# KiCad board nvme Carrier for LattePanda Mu.kicad_pcb (continued)
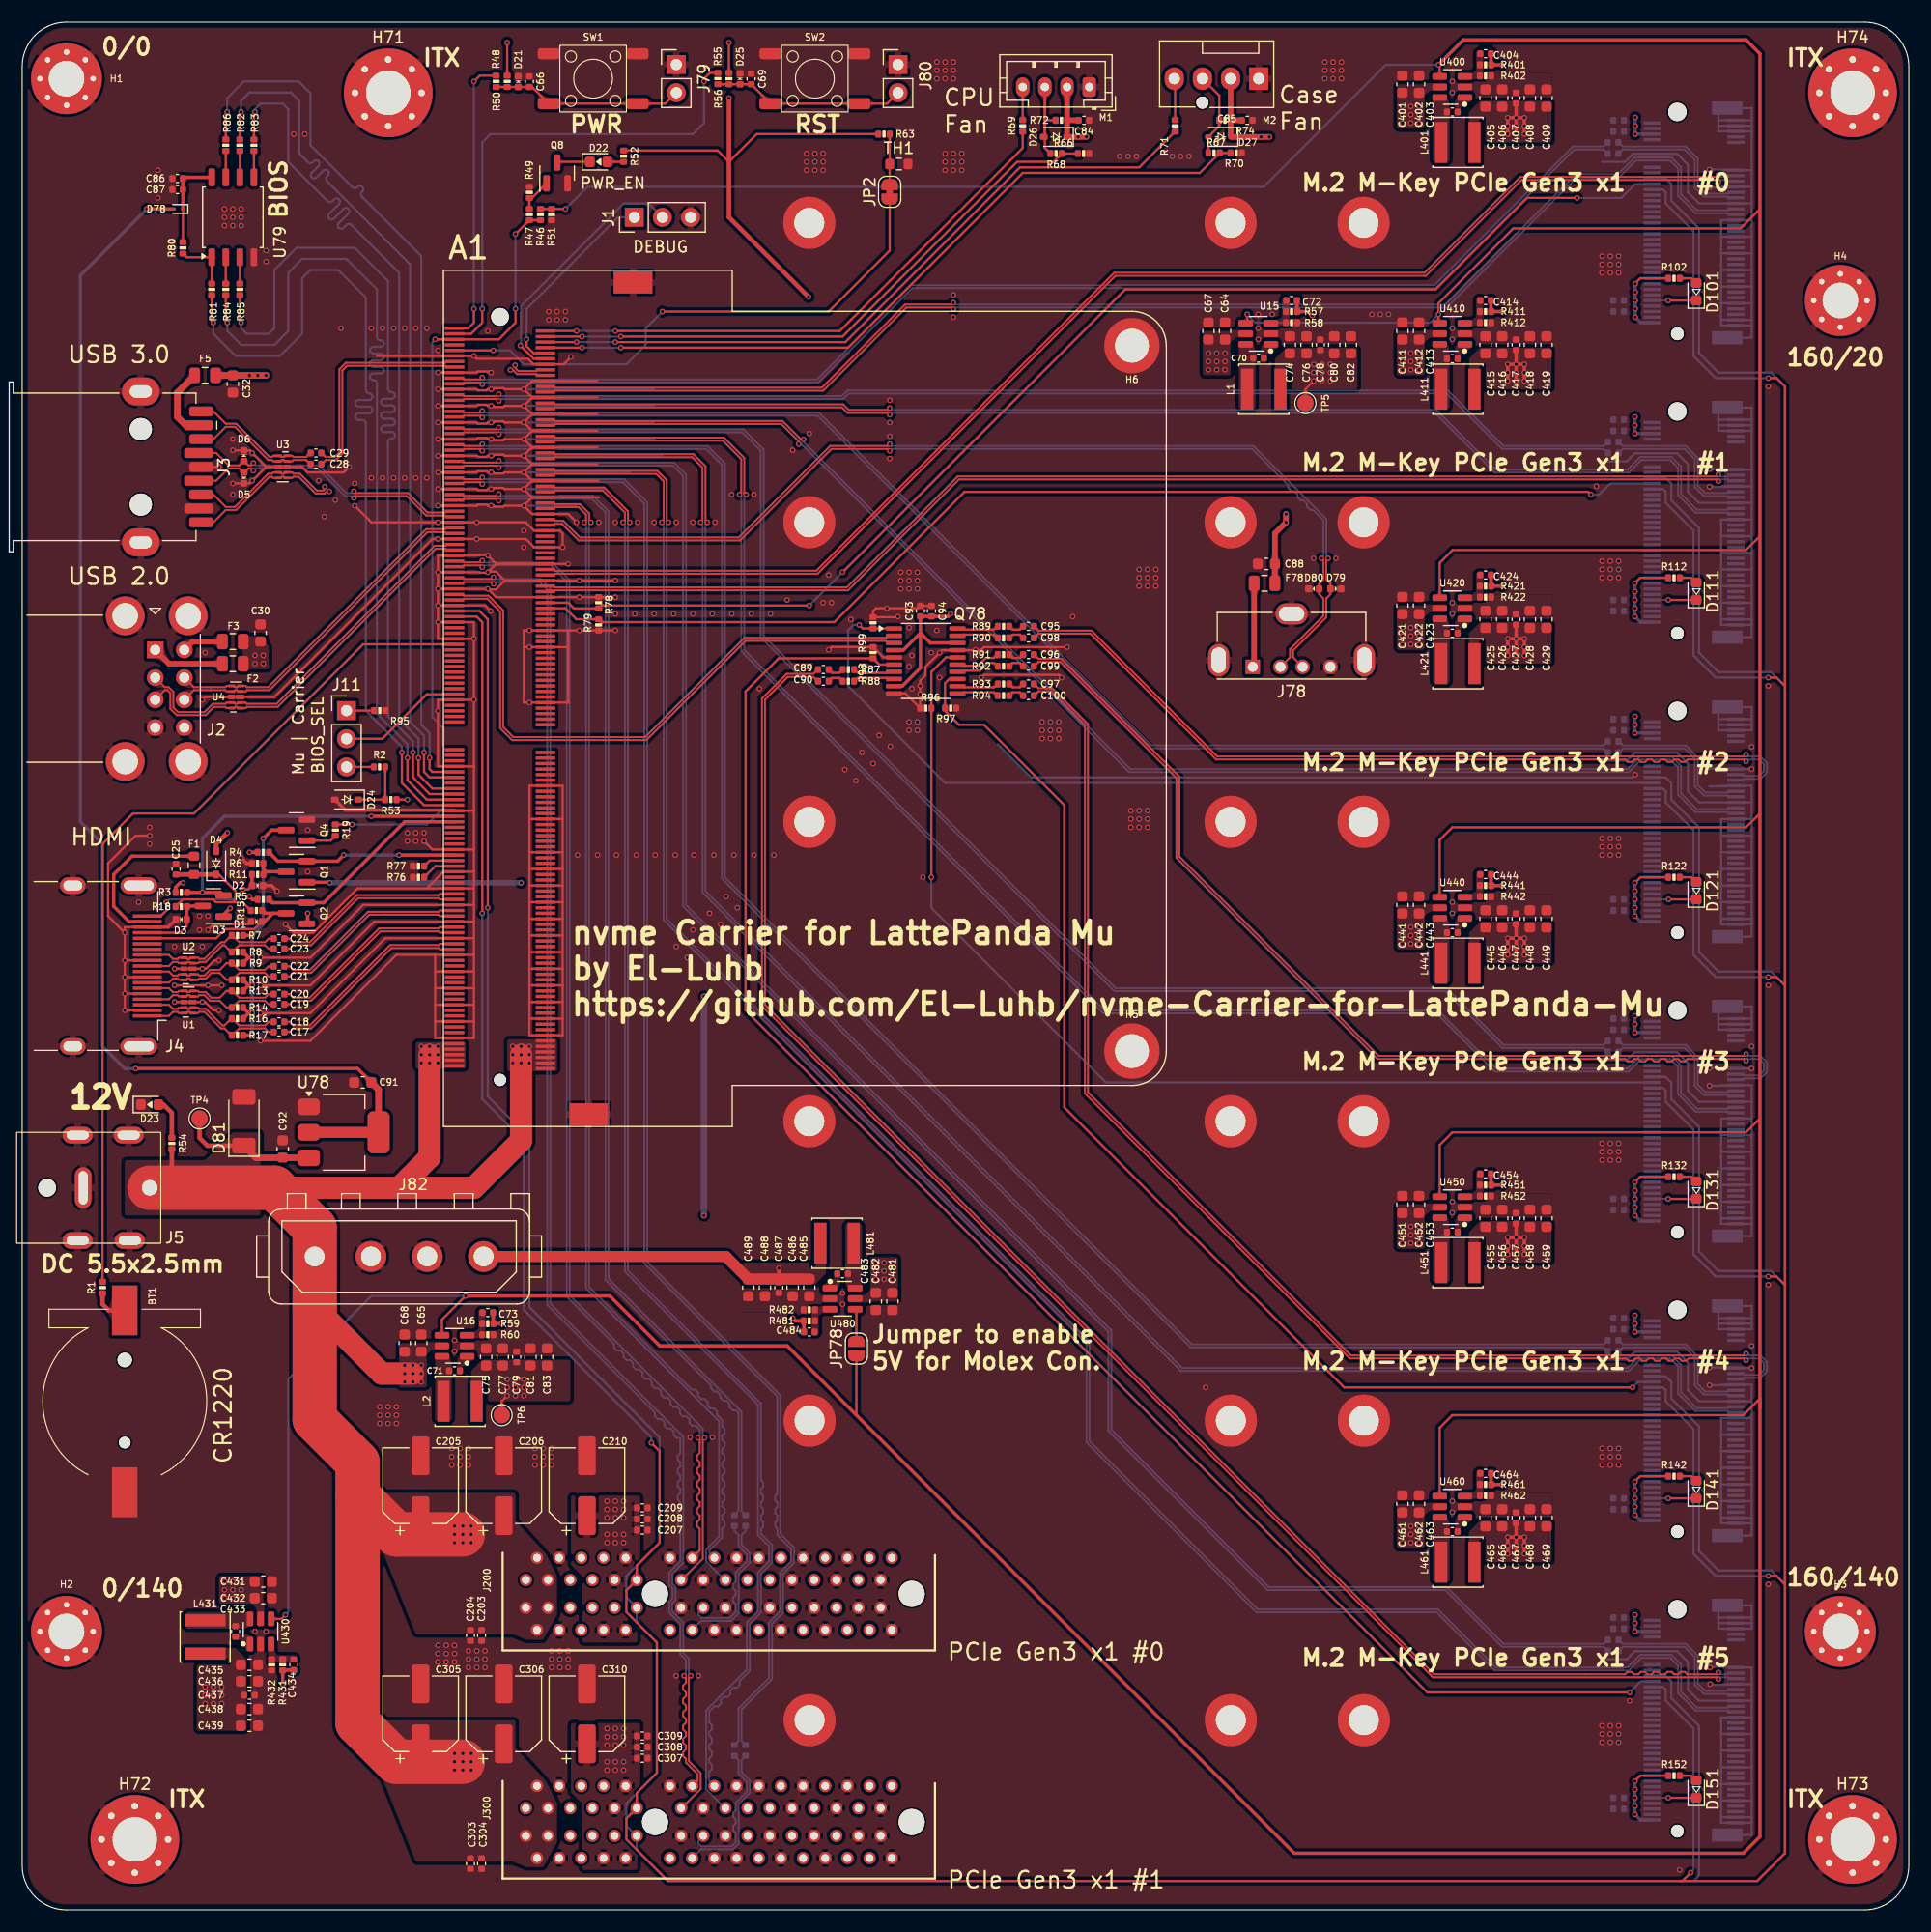
[diagram p0: board, top side]
## Placement (name value [footprint] x y rotation side) (continued)
R13  470R/1%  [R_0402_1005Metric]  19.42 82.86 0 top
R14  470R/1%  [R_0402_1005Metric]  19.42 81.36 0 top
R15  2.2K/1%  [R_0402_1005Metric]  21.13 90.1 0 top
R16  470R/1%  [R_0402_1005Metric]  19.42 80.36 0 top
R17  470R/1%  [R_0402_1005Metric]  19.42 78.86 0 top
R18  2.2K/1%  [R_0402_1005Metric]  14.35 90.45 0 top
R19  2.2K/1%  [R_0402_1005Metric]  28.25 97.35 270 top
R46  100R/1%  [R_0402_1005Metric]  46.75 152.85 90 top
R47  1K/1%  [R_0402_1005Metric]  45.75 152.85 90 top
R48  100R/1%  [R_0402_1005Metric]  42.75 164.86 90 top
R49  10K/1%  [R_0402_1005Metric]  45.75 154.85 270 top
R50  10K/1%  [R_0402_1005Metric]  43.75 164.86 90 top  (not fitted)
R51  100K/1%  [R_0402_1005Metric]  47.75 152.85 90 top
R52  2.2K/1%  [R_0402_1005Metric]  54.25 158.11 90 top
R53  2.2K/1%  [R_0402_1005Metric]  33.26 100.1 180 top
R54  21.5K/1%  [R_0402_1005Metric]  13.5 69.1 90 top
R55  100R/1%  [R_0402_1005Metric]  62.75 165.11 90 top
R56  10K/1%  [R_0402_1005Metric]  63.75 165.1 90 top  (not fitted)
R57  75K/1%  [R_0402_1005Metric]  114.5 144.1 0 top
R58  10K/1%  [R_0402_1005Metric]  114.5 143.1 180 top
R59  100K/1%  [R_0402_1005Metric]  42 52.85 0 top
R60  22K/1%  [R_0402_1005Metric]  42 51.85 180 top
R63  10K/1%  [R_0402_1005Metric]  77.74 160.1 0 top
R66  21.5K/1%  [R_0402_1005Metric]  95.74 158.35 0 top  (not fitted)
R67  21.5K/1%  [R_0402_1005Metric]  109.51 158.4 0 top
R68  21.5K/1%  [R_0402_1005Metric]  93.26 158.35 0 top
R69  100R/1%  [R_0402_1005Metric]  90.25 160.85 90 top
R70  21.5K/1%  [R_0402_1005Metric]  107.51 158.4 180 top
R71  100R/1%  [R_0402_1005Metric]  104 160.85 90 top
R72  4.7K/1%  [R_0402_1005Metric]  93.74 161.35 180 top
R74  4.7K/1%  [R_0402_1005Metric]  108.49 161.35 180 top
R76  100K/1%  [R_0402_1005Metric]  35.75 93.1 180 top
R77  100K/1%  [R_0402_1005Metric]  35.75 94.1 180 top
R78  100K/1%  [R_0402_1005Metric]  52 115.85 270 top
R79  100K/1%  [R_0402_1005Metric]  52 117.85 90 top
R80  120K/1%  [R_0402_1005Metric]  14.5 149.84 270 top
R81  0R  [R_0402_1005Metric]  17.09 146.1 90 top
R82  15R/1%  [R_0402_1005Metric]  19.63 159.1 270 top
R83  15R/1%  [R_0402_1005Metric]  20.9 159.1 270 top
R84  15R/1%  [R_0402_1005Metric]  18.37 146.1 90 top
R85  15R/1%  [R_0402_1005Metric]  19.63 146.1 90 top
R86  15R/1%  [R_0402_1005Metric]  18.37 159.1 270 top
R87  33R/5%  [R_0402_1005Metric]  74.52 111.83 0 top
R88  33R/5%  [R_0402_1005Metric]  74.52 110.78 180 top
R89  33R/5%  [R_0402_1005Metric]  88.52 115.73 0 top
R90  33R/5%  [R_0402_1005Metric]  88.52 114.68 180 top
R91  33R/5%  [R_0402_1005Metric]  88.52 113.18 0 top
R92  33R/5%  [R_0402_1005Metric]  88.52 112.13 180 top
R93  33R/5%  [R_0402_1005Metric]  88.52 110.53 0 top
R94  33R/5%  [R_0402_1005Metric]  88.52 109.48 180 top
R95  10K/1%  [R_0402_1005Metric]  32.25 108.13 180 top
R96  100K/1%  [R_0402_1005Metric]  83.75 108.35 0 top
R97  100K/1%  [R_0402_1005Metric]  81.5 108.35 180 top
R98  100K/1%  [R_0402_1005Metric]  76.75 113.35 90 top
R99  100K/1%  [R_0402_1005Metric]  76.75 116.04 90 top
R102  2.2K/1%  [R_0402_1005Metric]  149 147.1 180 top
R112  2.2K/1%  [R_0402_1005Metric]  149 120.1 180 top
R122  2.2K/1%  [R_0402_1005Metric]  149 93.1 180 top
R132  2.2K/1%  [R_0402_1005Metric]  149 66.1 180 top
R142  2.2K/1%  [R_0402_1005Metric]  149 39.1 180 top
R152  2.2K/1%  [R_0402_1005Metric]  149 12.1 180 top
R401  100K/1%  [R_0402_1005Metric]  132 166.35 0 top
R402  22K/1%  [R_0402_1005Metric]  132 165.35 180 top
R411  100K/1%  [R_0402_1005Metric]  132 144.1 0 top
R412  22K/1%  [R_0402_1005Metric]  132 143.1 180 top
R421  100K/1%  [R_0402_1005Metric]  132 119.35 0 top
R422  22K/1%  [R_0402_1005Metric]  132 118.35 180 top
R431  100K/1%  [R_0402_1005Metric]  23.5 22.1 270 top
R432  22K/1%  [R_0402_1005Metric]  22.5 22.1 90 top
R441  100K/1%  [R_0402_1005Metric]  132 92.35 0 top
R442  22K/1%  [R_0402_1005Metric]  132 91.35 180 top
R451  100K/1%  [R_0402_1005Metric]  132 65.35 0 top
R452  22K/1%  [R_0402_1005Metric]  132 64.35 180 top
R461  100K/1%  [R_0402_1005Metric]  132 38.35 0 top
R462  22K/1%  [R_0402_1005Metric]  132 37.35 180 top
R481  75K/1%  [R_0402_1005Metric]  71 53.1 180 top
R482  10K/1%  [R_0402_1005Metric]  71 54.1 0 top
SW1  SW_Push  [SW_Push_6x6x6]  51.5 165.1 180 top
SW2  SW_Push  [SW_Push_6x6x6]  71.5 165.1 180 top
TH1  NTC-10K  [R_0603_1608Metric]  79.07 157.4 0 top
TP4  TestPoint  [TestPoint_Pad_D1.5mm]  16 71.35 0 top  (not fitted)
TP5  TestPoint  [TestPoint_Pad_D1.5mm]  115.75 135.85 90 top  (not fitted)
TP6  TestPoint  [TestPoint_Pad_D1.5mm]  43.25 44.6 90 top  (not fitted)
U1  TPAZ1023-04F  [Diodes_UDFN-10_1.0x2.5mm_P0.5mm#2]  15 81.85 180 top
U2  TPAZ1023-04F  [Diodes_UDFN-10_1.0x2.5mm_P0.5mm#2]  15 84.85 180 top
U3  ULC0524P  [Diodes_UDFN-10_1.0x2.5mm_P0.5mm#2]  23.5 130.1 0 top
U4  ULC0524P  [Diodes_UDFN-10_1.0x2.5mm_P0.5mm]  19.3 109.35 180 top
U15  SY8253ADC  [TSOT-23-6]  111.5 142.1 180 top
U16  SY8253ADC  [TSOT-23-6]  39 50.85 180 top
U78  AMS1117-3.3  [SOT-223-3_TabPin2]  29 70.1 0 top
U79  W25Q128JVSIQ  [SOIC-8_5.23x5.23mm_P1.27mm]  19 152.6 90 top
U400  SY8253ADC  [TSOT-23-6]  129 164.35 180 top
U410  SY8253ADC  [TSOT-23-6]  129 142.1 180 top
U420  SY8253ADC  [TSOT-23-6]  129 117.35 180 top
U430  SY8253ADC  [TSOT-23-6]  21.5 25.1 90 top
U440  SY8253ADC  [TSOT-23-6]  129 90.35 180 top
U450  SY8253ADC  [TSOT-23-6]  129 63.35 180 top
U460  SY8253ADC  [TSOT-23-6]  129 36.35 180 top
U480  SY8253ADC  [TSOT-23-6]  74 55.1 0 top

## Library data of the parts
A1 = -: Datasheet: https://wmsc.lcsc.com/wmsc/upload/file/pdf/v2/lcsc/2012102315_LOTES-ADDR0069-P009A_C962126.pdf; Description: A micro computing module with x86 processer, RAM and eMMC.; Part#: C962126; MPN: ADDR0069-P009A; Package: SMD,P=0.5mm,Surface Mount，Right Angle; LCSC Part #: C962126; ki_fp_filters: *LattePanda*
BT1 = -: Datasheet: https://www.lcsc.com/datasheet/lcsc_datasheet_2405081637_Q-J-CR1220-2_C70381.pdf; Part#: C70381; MPN: CR1220-2; Package: SMD; LCSC Part #: C70381; MPN_alt: S8411-45R
C17-C25 C28 C29 C70 C71 C78 C79 C84 C85 C102 C104 C112 C114 C122 C124 C132 C134 C142 C144 C152 C154 C203 C204 C207 C209 C303 C304 C307 C309 C403 C407 C413 C417 C423 C427 C433 C437 C443 C447 C453 C457 C463 C467 C483 C487 = -: Datasheet: https://wmsc.lcsc.com/wmsc/upload/file/pdf/v2/lcsc/1809272047_Murata-Electronics-GRM155R71H104KE14D_C77020.pdf; SCH_Show_Footprint: C0402; Part#: C77020; MPN: GRM155R71H104KE14D; Package: 0402; LCSC Part #: C77020; ki_fp_filters: C_*
C30 C32 C74-C77 C80-C83 C88 C91 C405 C406 C408 C409 C415 C416 C418 C419 C425 C426 C428 C429 C435 C436 C438 C439 C445 C446 C448 C449 C455 C456 C458 C459 C465 C466 C468 C469 C485 C486 C488 C489 = -: Datasheet: https://www.lcsc.com/datasheet/lcsc_datasheet_2304140030_Samsung-Electro-Mechanics-CL10A226MP8NUNE_C86295.pdf; SCH_Show_Footprint: C603; Part#: C86295; MPN: CL10A226MP8NUNE; Package: 0603; LCSC Part #: C86295; ki_fp_filters: C_*
C64 C65 C67 C68 C92 C401 C402 C411 C412 C421 C422 C431 C432 C441 C442 C451 C452 C461 C462 C481 C482 = -: Datasheet: https://www.lcsc.com/datasheet/lcsc_datasheet_2208111030_Samsung-Electro-Mechanics-CL10A226MO7JZNC_C2762594.pdf; SCH_Show_Footprint: C603; Part#: C86295; MPN: CL10A226MO7JZNC; Package: 0603; LCSC Part #: C2762594; ki_fp_filters: C_*
C66 C69 = -: Datasheet: https://wmsc.lcsc.com/wmsc/upload/file/pdf/v2/lcsc/2304140030_Samsung-Electro-Mechanics-CL05A105KO5NNNC_C29266.pdf; SCH_Show_Footprint: C0402; Part#: C29266; MPN: CL05A105KO5NNNC; Package: 0402; LCSC Part #: C29266; ki_fp_filters: C_*
C72 C73 C404 C414 C424 C434 C444 C454 C464 C484 = -: SCH_Show_Footprint: C0402; ki_fp_filters: C_*
C86 C93 = -: Datasheet: https://wmsc.lcsc.com/wmsc/upload/file/pdf/v2/lcsc/2309061403_Samsung-Electro-Mechanics-CL05A226MQ5QUNC_C105226.pdf; Description: Unpolarized capacitor; Part#: C105226; MPN: CL05A226MQ5QUNC; Package: 0402; LCSC Part #: C105226; ki_fp_filters: C_*
C87 C89 C90 C94-C100 = -: Datasheet: https://wmsc.lcsc.com/wmsc/upload/file/pdf/v2/lcsc/1811011928_Walsin-Tech-Corp-0402B104K160CT_C83056.pdf; Description: Unpolarized capacitor; Part#: C83056; MPN: 0402B104K160CT; Package: 0402; LCSC Part #: C83056; ki_fp_filters: C_*
C101 C103 C111 C113 C121 C123 C131 C133 C141 C143 C151 C153 C208 C308 = -: Datasheet: https://wmsc.lcsc.com/wmsc/upload/file/pdf/v2/lcsc/2312201433_Samsung-Electro-Mechanics-CL05A106MP5NUNC_C315248.pdf; SCH_Show_Footprint: C0402; Part#: C315248; MPN: CL05A106MP5NUNC; Package: 0402; LCSC Part #: C315248; ki_fp_filters: C_*
C105 C106 C115 C116 C125 C126 C135 C136 C145 C146 C155 C156 C201 C202 C301 C302 = -: Datasheet: https://wmsc.lcsc.com/wmsc/upload/file/pdf/v2/lcsc/2209081730_Murata-Electronics-GRM155R61H224KE01D_C5159775.pdf; SCH_Show_Footprint: C0402; Part#: C5159775; MPN: GRM155R61H224KE01D; Package: 0402; LCSC Part #: C5159775; ki_fp_filters: C_*
C205 C206 C305 C306 = -: Datasheet: https://wmsc.lcsc.com/wmsc/upload/file/pdf/v2/lcsc/2208310930_Capxon-International-Elec-PM101M025E077PTR_C2858382.pdf; SCH_Show_Footprint: C5x5.8; Part#: C2886300; MPN: VT1E101M-CRE54; MPN_alt: PM101M025E077PTR; Package: SMD,D6.3xL7.7mm; LCSC Part #: C2886300; ki_fp_filters: CP_*
C210 C310 = -: Datasheet: https://my.mouser.com/datasheet/2/231/156315576075-1624351.pdf; SCH_Show_Footprint: C5x5.8; Part#: C384654; MPN: VZT471M1ATR-0607; Package: SMD,D6.3xL7.7mm; LCSC Part #: C384654; ki_fp_filters: CP_*
D1-D3 D5 D6 D21 D25 D79 D80 = -: Datasheet: https://wmsc.lcsc.com/wmsc/upload/file/pdf/v2/lcsc/2108131930_TECH-PUBLIC-ESD5V0B03-1006_C521894.pdf; SCH_Show_Footprint: D0402; Part#: C521894; MPN: ESD5V0B03-1006; Package: 0402; LCSC Part #: C521894; ki_fp_filters: D*SOD?923*
D4 D26 D27 = -: Datasheet: https://wmsc.lcsc.com/wmsc/upload/file/pdf/v2/lcsc/2204281430_Guangdong-Hottech-1N5819WS_C191023.pdf; SCH_Show_Footprint: SOD-323; Part#: C2828425; Package: SOD-323; LCSC Part #: C2828425; ki_fp_filters: D*SOD?323*
D22 D23 D101 D111 D121 D131 D141 D151 = -: Datasheet: https://wmsc.lcsc.com/wmsc/upload/file/pdf/v2/lcsc/1912111437_Yongyu-Photoelectric-SZYY0603YG_C434423.pdf; SCH_Show_Footprint: LED0603; Part#: C434423; MPN: SZYY0603YG; Package: 0603; LCSC Part #: C434423; ki_fp_filters: LED* LED_SMD:* LED_THT:*
D24 = -: Datasheet: https://diotec.com/request/datasheet/mms3z2b4gw.pdf; Description: Schottky diode; Part#: C5674189; MPN: SZMM3Z3V3T1G; Package: SOD-323; LCSC Part #: C894530; MPN_alt: MMS3Z3B3GW; ki_fp_filters: TO-???* *_Diode_* *SingleDiode* D_*
D78 = -: Datasheet: https://wmsc.lcsc.com/wmsc/upload/file/pdf/v2/lcsc/2004100909_WILLSEMI-Will-Semicon-RB521C30-2-TR_C239637.pdf; Description: Schottky diode; Part#: C239637; MPN: RB521C30-2/TR; Package: SOD-923; LCSC Part #: C239637; ki_fp_filters: TO-???* *_Diode_* *SingleDiode* D_*
D81 = -: Datasheet: https://www.tme.eu/Document/475226a1f5f23e88222b181b564f5c39/PTVSXP1UP_SER.pdf; Description: SOD-128 Unidirectional TVS diode, 12V, 600W, Alternate KiCAD Library; MPN: PTVS12VP1UP,115; Package: SOD-128; LCSC Part #: C553365; Part#: C553365; ki_fp_filters: TO-???* *_Diode_* *SingleDiode* D_*
F1 = -: Datasheet: https://wmsc.lcsc.com/wmsc/upload/file/pdf/v2/lcsc/2401210605_LUTE-0603L050-6AR_C7472536.pdf; SCH_Show_Footprint: R0805; Part#: C7472536; MPN: 0603L050/6AR; Package: 0603; LCSC Part #: C7472536; ki_fp_filters: *Fuse*
F2 F3 F78 = -: Datasheet: https://wmsc.lcsc.com/wmsc/upload/file/pdf/v2/lcsc/2305121423_BHFUSE-BSMD0805-100-6V_C883112.pdf; SCH_Show_Footprint: R0603; Part#: C883112; MPN: BSMD0805-100-6V; Package: 0805; LCSC Part #: C883112; ki_fp_filters: *Fuse*
F5 = -: Datasheet: https://wmsc.lcsc.com/wmsc/upload/file/pdf/v2/lcsc/2305121425_BHFUSE-BSMD0805L-200_C2757931.pdf; SCH_Show_Footprint: R0805; Part#: C2757931; MPN: BSMD0805L-200; Package: 0805; LCSC Part #: C2757931; ki_fp_filters: *Fuse*
H1-H4 H71-H74 = -: ki_fp_filters: MountingHole*Pad*
H5 H6 H1032 H1042 H1080 H1130 H1142 H1180 H1230 H1242 H1280 H1330 H1342 H1380 H1430 H1442 H1480 H1530 H1542 H1580 = -: Package: MountingHole; ki_fp_filters: MountingHole*Pad*
J1 J11 = -: Description: Generic connector, single row, 01x03, script generated; MPN: PZ2.54-1*3; Package: Jumper; ki_fp_filters: Connector*:*_1x??_*
J2 = -: Datasheet: https://www.lcsc.com/datasheet/lcsc_datasheet_2401291333_CUI-UJ2-ADH-1-TH_C3197848.pdf; Part#: C3197848; MPN: UJ2-ADH-1-TH; Package: Plugin; MPN_alt: AF SS-JB17.6; LCSC Part #: C456021; ki_fp_filters: USB*
J3 = -: Datasheet: https://wmsc.lcsc.com/wmsc/upload/file/pdf/v2/lcsc/2306021057_Wurth-Elektronik-692122030100_C5355286.pdf; Description: USB 3.0 A connector; MPN: 692122030100; Package: Plugin; MPN_alt: 692122030100; ki_fp_filters: USB3*
J4 = -: Datasheet: https://www.molex.com/content/dam/molex/molex-dot-com/products/automated/en-us/salesdrawingpdf/208/208658/2086581001_sd.pdf; Part#: C916313; MPN: 2086581001; Package: Plugin; LCSC Part #: C2858275; ki_fp_filters: HDMI*A*
J5 = -: Datasheet: https://wmsc.lcsc.com/wmsc/upload/file/pdf/v2/lcsc/2309121405_SHOU-HAN-DC007B-2-5-J_C17701686.pdf; Part#: C17701686; MPN: HX DC007B-2.5-J; Package: Plugin; LCSC Part #: C19189084; MPN_alt: DC007B-2.5-J; ki_fp_filters: BarrelJack*
J78 = -: Datasheet: https://www.molex.com/content/dam/molex/molex-dot-com/products/automated/en-us/salesdrawingpdf/105/105057/1050570001_sd.pdf; Description: USB Type A connector; Part#: C586225; MPN: 1050570001; Package: Plugin; LCSC Part #: C586225; ki_fp_filters: USB*
J79 J80 = -: Description: Generic connector, single row, 01x02, script generated; MPN: PZ2.54-1*2; Package: Jumper; ki_fp_filters: Connector*:*_1x??_*
J82 = -: Datasheet: https://www.te.com/de/product-770997-1.datasheet.pdf; Description: Generic connector, single row, 01x04, script generated (kicad-library-utils/schlib/autogen/connector/); Part#: C305819; MPN: 770997-1; Package: Plugin,P=5.08mm; LCSC Part #: C305819; ki_fp_filters: Connector*:*_1x??_*
J100 J110 J120 J130 J140 J150 = -: Datasheet: https://www.te.com/de/product-1-2199230-5.datasheet.pdf; Part#: C590854; MPN: 1-2199230-5; Package: SMD,P=0.5mm,Surface Mount，Right Angle; LCSC Part #: C590854; MPN_alt: APCI0079-P002A; ki_fp_filters: *M*2*M*
J200 J300 = -: Datasheet: https://wmsc.lcsc.com/wmsc/upload/file/pdf/v2/lcsc/2201121330_LOTES-AAA-PCI-161-K03_C2926855.pdf; Part#: C2926855; MPN: AAA-PCI-161-K03; MPN_alt: 2EG03227-D2D-DF; Package: Plugin,P=2mm; LCSC Part #: C2926855; ki_fp_filters: *PCIexpress*
JP2 = -: Description: Solder Jumper, 2-pole, closed/bridged; Package: SolderJumper; ki_fp_filters: SolderJumper*Bridged*
JP78 = -: Description: Solder Jumper, 2-pole, open; Package: SolderJumper; ki_fp_filters: SolderJumper*Open*
L1 L2 L401 L411 L421 L431 L441 L451 L461 L481 = -: Datasheet: https://wmsc.lcsc.com/wmsc/upload/file/pdf/v2/lcsc/2310251551_Sunlord-WPN4020H2R2MT_C98361.pdf; Part#: C98361; MPN: WPN4020H2R2MT; Package: SMD,4x4mm; LCSC Part #: C98361; ki_fp_filters: Choke_* *Coil* Inductor_* L_*
M1 = -: Datasheet: https://wmsc.lcsc.com/wmsc/upload/file/pdf/v2/lcsc/2007221005_JST-B4B-PH-K-S-GW_C566011.pdf; Part#: C566011; MPN: B4B-PH-K-S-GW; Package: Plugin,P=2mm; LCSC Part #: C566011; ki_fp_filters: FanPinHeader*P2.54mm*Vertical* PinHeader*P2.54mm*Vertical* TerminalBlock*
M2 = -: Datasheet: https://wmsc.lcsc.com/wmsc/upload/file/pdf/v2/lcsc/1811051309_MOLEX-470531000_C240840.pdf; Part#: C240840; MPN: 470531000; Package: Plugin,P=2.54mm; LCSC Part #: C240840; ki_fp_filters: FanPinHeader*P2.54mm*Vertical* PinHeader*P2.54mm*Vertical* TerminalBlock*
Q1 Q8 = -: Datasheet: https://www.onsemi.com/pub/Collateral/NDS7002A-D.PDF; Part#: C7603342; MPN: NDS7002A; Package: SOT-23; LCSC Part #: C7603342; ki_fp_filters: SOT?23*
Q2-Q4 = -: Datasheet: https://www.onsemi.com/pub/Collateral/NDS7002A-D.PDF; Part#: C475593; Package: SOT-23; LCSC Part #: C475593; ki_fp_filters: SOT?23*
Q78 = -: Datasheet: https://wmsc.lcsc.com/wmsc/upload/file/pdf/v2/lcsc/2304140030_RENESAS-9DBL411BGLFT_C2649348.pdf; Package: TSSOP-20; LCSC Part #: C2649348; Part#: C2649348
R1 R11 R47 = -: Datasheet: https://wmsc.lcsc.com/wmsc/upload/file/pdf/v2/lcsc/2304140030_YAGEO-RC0402FR-071KL_C106235.pdf; Part#: C106235; MPN: RC0402FR-071KL; Package: 0402; LCSC Part #: C106235; ki_fp_filters: R_*
R2 R49 R50 R56 R58 R63 R95 R482 = -: Datasheet: https://wmsc.lcsc.com/wmsc/upload/file/pdf/v2/lcsc/2304140030_YAGEO-RC0402FR-0710KL_C60490.pdf; Part#: C60490; MPN: RC0402FR-0710KL; Package: 0402; LCSC Part #: C60490; ki_fp_filters: R_*
R3 R5 R15 R18 R19 R52 R53 R102 R112 R122 R132 R142 R152 = -: Datasheet: https://wmsc.lcsc.com/wmsc/upload/file/pdf/v2/lcsc/2304140030_YAGEO-RC0402FR-072K2L_C114762.pdf; Part#: C114762; MPN: RC0402FR-072K2L; Package: 0402; LCSC Part #: C114762; ki_fp_filters: R_*
R4 = -: Datasheet: https://wmsc.lcsc.com/wmsc/upload/file/pdf/v2/lcsc/2304140030_YAGEO-RC0402FR-071ML_C138033.pdf; Part#: C138033; MPN: RC0402FR-071ML; Package: 0402; LCSC Part #: C138033; ki_fp_filters: R_*
R6 R54 R66-R68 R70 = -: Datasheet: https://wmsc.lcsc.com/wmsc/upload/file/pdf/v2/lcsc/2304140030_YAGEO-RC0402FR-0721K5L_C185442.pdf; Part#: C185442; MPN: RC0402FR-0721K5L; Package: 0402; LCSC Part #: C185442; ki_fp_filters: R_*
R7-R10 R13 R14 R16 R17 = -: Datasheet: https://wmsc.lcsc.com/wmsc/upload/file/pdf/v2/lcsc/2304140030_YAGEO-RC0402FR-07470RL_C114877.pdf; Part#: C114877; MPN: RC0402FR-07470RL; Package: 0402; LCSC Part #: C114877; ki_fp_filters: R_*
R46 R48 R55 R69 R71 = -: Datasheet: https://wmsc.lcsc.com/wmsc/upload/file/pdf/v2/lcsc/2304140030_YAGEO-RC0402FR-07100RL_C106232.pdf; Part#: C106232; MPN: RC0402FR-07100RL; Package: 0402; LCSC Part #: C106232; ki_fp_filters: R_*
R51 R59 R76 R77 R401 R411 R421 R431 R441 R451 R461 = -: Datasheet: https://wmsc.lcsc.com/wmsc/upload/file/pdf/v2/lcsc/2304140030_YAGEO-RC0402FR-07100KL_C60491.pdf; Part#: C60491; MPN: RC0402FR-07100KL; Package: 0402; LCSC Part #: C60491; ki_fp_filters: R_*
R57 R481 = -: Datasheet: https://wmsc.lcsc.com/wmsc/upload/file/pdf/v2/lcsc/2304140030_YAGEO-RC0402FR-0775KL_C137935.pdf; Part#: C137935; MPN: RC0402FR-0775KL; Package: 0402; LCSC Part #: C137935; ki_fp_filters: R_*
R60 R402 R412 R422 R432 R442 R452 R462 = -: Datasheet: https://wmsc.lcsc.com/wmsc/upload/file/pdf/v2/lcsc/2304140030_YAGEO-RC0402FR-0722KL_C82868.pdf; Part#: C82868; MPN: RC0402FR-0722KL; Package: 0402; LCSC Part #: C82868; ki_fp_filters: R_*
R72 R74 = -: Datasheet: https://wmsc.lcsc.com/wmsc/upload/file/pdf/v2/lcsc/2304140030_YAGEO-RC0402FR-074K7L_C105871.pdf; Part#: C105871; MPN: RC0402FR-074K7L; Package: 0402; LCSC Part #: C105871; ki_fp_filters: R_*
R78 R79 R96-R99 = -: Datasheet: https://wmsc.lcsc.com/wmsc/upload/file/pdf/v2/lcsc/2304140030_YAGEO-RC0402FR-07100KL_C60491.pdf; Description: Resistor; Part#: C60491; MPN: RC0402FR-07100KL; Package: 0402; LCSC Part #: C60491; ki_fp_filters: R_*
R80 = -: Datasheet: https://wmsc.lcsc.com/wmsc/upload/file/pdf/v2/lcsc/2304140030_YAGEO-RC0402FR-07120KL_C93945.pdf; Description: Resistor; Part#: C93945; MPN: RC0402FR-07120KL; Package: 0402; LCSC Part #: C93945; ki_fp_filters: R_*
R81 = -: Datasheet: https://wmsc.lcsc.com/wmsc/upload/file/pdf/v2/lcsc/2304140030_TyoHM-RMC-0402-0R-N_C325377.pdf; Description: Resistor; Part#: C325377; MPN: RMC 0402 0R N; Package: 0402; LCSC Part #: C325377; ki_fp_filters: R_*
R82-R86 = -: Datasheet: https://wmsc.lcsc.com/wmsc/upload/file/pdf/v2/lcsc/2304140030_YAGEO-RC0402FR-0715RL_C138052.pdf; Description: Resistor; Part#: C138052; MPN: RC0402FR-0715RL; Package: 0402; LCSC Part #: C138052; ki_fp_filters: R_*
R87-R94 = -: Datasheet: https://wmsc.lcsc.com/wmsc/upload/file/pdf/v2/lcsc/2304140030_YAGEO-RC0402FR-071KL_C106235.pdf; Part#: C851857; MPN: RC0402JR-0733RP; Package: 0402; LCSC Part #: C851857; ki_fp_filters: R_*
SW1 SW2 = -: Datasheet: https://wmsc.lcsc.com/wmsc/upload/file/pdf/v2/lcsc/2304140030_Korean-Hroparts-Elec-K2-1102SP-E3SC-04_C2685894.pdf; Part#: C2685894; MPN: DTSM-62K-V-T/R; Package: SMD; LCSC Part #: C224978; MPN_alt: DTSMG-66K-V
TH1 = -: Datasheet: https://www.mouser.de/datasheet/2/281/NCU18XH103F60RB-1519762.pdf; Part#: C440252; MPN: NCU18XH103F60RB; Package: 0603; LCSC Part #: C440252; ki_fp_filters: *NTC* *Thermistor* PIN?ARRAY* bornier* *Terminal?Block* R_*
TP4-TP6 = -: Description: test point; ki_fp_filters: Pin* Test*
U1 U2 = -: Datasheet: https://www.diodes.com/assets/Datasheets/D3V3XA4B10LP.pdf; Part#: C2827676; Package: DFN2510; LCSC Part #: C2827676; ki_fp_filters: Diodes*UDFN*1.0x2.5mm*P0.5mm*
U3 U4 = -: Datasheet: https://www.diodes.com/assets/Datasheets/D3V3XA4B10LP.pdf; Part#: C2835428; Package: DFN2510; LCSC Part #: C2835428; ki_fp_filters: Diodes*UDFN*1.0x2.5mm*P0.5mm*
U15 U16 U400 U410 U420 U430 U440 U450 U460 U480 = -: Datasheet: https://atta.szlcsc.com/upload/public/pdf/source/20180625/C93736_E75EC6FD4320D65590D2D5BF0D8B8959.pdf; Part#: C93736; Package: SOT-23-6; LCSC Part #: C93736; ki_fp_filters: TSOT?23*
U78 = -: Datasheet: http://www.advanced-monolithic.com/pdf/ds1117.pdf; Description: 1A Low Dropout regulator, positive, 3.3V fixed output, SOT-223; Package: SOT-223; LCSC Part #: C347222; Part#: C347222; ki_fp_filters: SOT?223*TabPin2*
U79 = -: Datasheet: https://wmsc.lcsc.com/wmsc/upload/file/pdf/v2/lcsc/1811142111_Winbond-Elec-W25Q128JVSIQ_C97521.pdf; Description: 128Mb Serial Flash Memory, Standard/Dual/Quad SPI, SOIC-8; Part#: C97521; Package: SOIC-8-208mil; LCSC Part #: C97521; ki_fp_filters: SOIC*5.23x5.23mm*P1.27mm*

## Footprints (pads in the part's own frame, mm; a bottom-side part is the same pattern mirrored in y, then rotated)
Battery_Holder_CR1220_S8411-45R
  round 1.05 hole 1.05 unplated: (0,3.725)
  round 1.3 hole 1.3 unplated: (0,-3.725)
  rect 2.3x4.5 smd: 1(0,-8.2) 2(0,8.2)
C_0402_1005Metric
  rrect 0.56x0.62 smd: 1(-0.48,0) 2(0.48,0)
C_0603_1608Metric
  rrect 0.9x0.95 smd: 1(-0.775,0) 2(0.775,0)
CP_Elec_6.3x7.7
  rrect 3.5x1.6 smd: 1(-2.7,0) 2(2.7,0)
D_0402_1005Metric
  rrect 0.59x0.64 smd: 1(-0.485,0) 2(0.485,0)
D_SOD-128
  rrect 1.4x2.1 smd: 1(-2.2,0) 2(2.2,0)
D_SOD-323
  rrect 0.7x0.55 smd: 1(-1.05,0) 2(1.05,0)
D_SOD-323#2
  rrect 0.6x0.45 smd: 1(-1.05,0) 2(1.05,0)
D_SOD-923
  rrect 0.36x0.25 smd: 1(-0.42,0) 2(0.42,0)
DC_Jack_DC007B_30V_10A
  round 1.6 hole 1.6 unplated: (0,-2.75)
  round 2.2 hole 1.4: 1(0,-12)
  oval 3.7x1.5 hole 3x0.8: 2(0,-6)
  oval 1.5x2.7 hole 0.8x2: 3(-4.75,-5.5) 3(-4.75,-10.2) 3(4.75,-5.5) 3(4.75,-10.1)
Diodes_UDFN-10_1.0x2.5mm_P0.5mm
  rect 0.625x0.25 smd: 1(-0.388,1) 2(-0.388,0.5) 4(-0.388,-0.5) 5(-0.388,-1) 6(0.388,-1) 7(0.388,-0.5) 9(0.388,0.5) 10(0.388,1)
  rect 0.7x0.45 smd: 3(-0.35,0)
  rect 0.575x0.45 smd: 8(0.412,0)
Diodes_UDFN-10_1.0x2.5mm_P0.5mm#2
  rect 0.625x0.25 smd: 1(-0.388,1) 2(-0.388,0.5) 4(-0.388,-0.5) 5(-0.388,-1) 6(0.388,-1) 7(0.388,-0.5) 9(0.388,0.5) 10(0.388,1)
  rect 0.7x0.4 smd: 3(-0.35,0)
  rect 0.575x0.4 smd: 8(0.412,0)
FanPinHeader_1x04_P2.54mm_Vertical
  round 1.1 hole 1.1 unplated: (5.08,2.16)
  rect 1.73x2.03 hole 1.02: 1(0,0)
  oval 1.73x2.03 hole 1.02: 2(2.54,0) 3(5.08,0) 4(7.62,0)
Fuse_0805_2012Metric
  rrect 0.975x1.4 smd: 1(-0.938,0) 2(0.938,0)
HDMI_A_Molex_208658-1001_Horizontal
  rect 2.6x0.3 smd: 1(-3.285,4.5) 2(-3.285,4) 3(-3.285,3.5) 4(-3.285,3) 5(-3.285,2.5) 6(-3.285,2) 7(-3.285,1.5) 8(-3.285,1) 9(-3.285,0.5) 10(-3.285,0) 11(-3.285,-0.5) 12(-3.285,-1) 13(-3.285,-1.5) 14(-3.285,-2) 15(-3.285,-2.5) 16(-3.285,-3) 17(-3.285,-3.5) 18(-3.285,-4) 19(-3.285,-4.5)
  oval 3.3x1.5 hole 2.7x0.9: SH(-2.525,7.25) SH(-2.525,-7.25)
  oval 2.3x1.5 hole 1.7x0.9: SH(3.435,7.25) SH(3.435,-7.25)
JST_PH_B4B-PH-K_1x04_P2.00mm_Vertical
  rrect 1.2x1.75 hole 0.75: 1(0,0)
  oval 1.2x1.75 hole 0.75: 2(2,0) 3(4,0) 4(6,0)
L_Sunlord_SWPA4020S
  rect 1.1x3.7 smd: 1(-1.5,0) 2(1.5,0)
LattePanda_Module_H8.0mm_Horizontal
  round 1.1 hole 1.1 unplated: (-34.4,0)
  round 1.6 hole 1.6 unplated: (34.4,0)
  rect 0.3x1.75 smd: 1(33.375,4.1) 2(33.125,-4.1) 3(32.875,4.1) 4(32.625,-4.1) 5(32.375,4.1) 6(32.125,-4.1) 7(31.875,4.1) 8(31.625,-4.1) 9(31.375,4.1) 10(31.125,-4.1) 11(30.875,4.1) 12(30.625,-4.1) 13(30.375,4.1) 14(30.125,-4.1) 15(29.875,4.1) 16(29.625,-4.1) 17(29.375,4.1) 18(29.125,-4.1) 19(28.875,4.1) 20(28.625,-4.1) 21(28.375,4.1) 22(28.125,-4.1) 23(27.875,4.1) 24(27.625,-4.1) 25(27.375,4.1) 26(27.125,-4.1) 27(26.875,4.1) 28(26.625,-4.1) 29(26.375,4.1) 30(26.125,-4.1) 31(25.875,4.1) 32(25.625,-4.1) 33(25.375,4.1) 34(25.125,-4.1) 35(24.875,4.1) 36(24.625,-4.1) 37(24.375,4.1) 38(24.125,-4.1) 39(23.875,4.1) 40(23.625,-4.1) 41(23.375,4.1) 42(23.125,-4.1) 43(22.875,4.1) 44(22.625,-4.1) 45(22.375,4.1) 46(22.125,-4.1) 47(21.875,4.1) 48(21.625,-4.1) 49(21.375,4.1) 50(21.125,-4.1) 51(20.875,4.1) 52(20.625,-4.1) 53(20.375,4.1) 54(20.125,-4.1) 55(19.875,4.1) 56(19.625,-4.1) 57(19.375,4.1) 58(19.125,-4.1) 59(18.875,4.1) 60(18.625,-4.1) 61(18.375,4.1) 62(18.125,-4.1) 63(17.875,4.1) 64(17.625,-4.1) 65(17.375,4.1) 66(17.125,-4.1) 67(16.875,4.1) 68(16.625,-4.1) 69(16.375,4.1) 70(16.125,-4.1) 71(15.875,4.1) 72(15.625,-4.1) 73(15.375,4.1) 74(15.125,-4.1) 75(14.875,4.1) 76(14.625,-4.1) 77(14.375,4.1) 78(14.125,-4.1) 79(13.875,4.1) 80(13.625,-4.1) 81(13.375,4.1) 82(13.125,-4.1) 83(12.875,4.1) 84(12.625,-4.1) 85(12.375,4.1) 86(12.125,-4.1) 87(11.875,4.1) 88(11.625,-4.1) 89(11.375,4.1) 90(11.125,-4.1) 91(10.875,4.1) 92(10.625,-4.1) 93(10.375,4.1) 94(10.125,-4.1) 95(9.875,4.1) 96(9.625,-4.1) 97(9.375,4.1) 98(9.125,-4.1) 99(8.875,4.1) 100(8.625,-4.1) 101(8.375,4.1) 102(8.125,-4.1) 103(7.875,4.1) 104(7.625,-4.1) 105(7.375,4.1) 106(7.125,-4.1) 107(6.875,4.1) 108(6.625,-4.1) 109(6.375,4.1) 110(6.125,-4.1) 111(5.875,4.1) 112(5.625,-4.1) 113(5.375,4.1) 114(5.125,-4.1) 115(4.875,4.1) 116(4.625,-4.1) 117(4.375,4.1) 118(4.125,-4.1) 119(3.875,4.1) 120(3.625,-4.1) 121(3.375,4.1) 122(3.125,-4.1) 123(2.875,4.1) 124(2.625,-4.1) 125(2.375,4.1) 126(2.125,-4.1) 127(1.875,4.1) 128(1.625,-4.1) 129(1.375,4.1) 130(1.125,-4.1) 131(0.875,4.1) 132(0.625,-4.1) 133(0.375,4.1) 134(0.125,-4.1) 135(-0.125,4.1) 136(-0.375,-4.1) 137(-0.625,4.1) 138(-0.875,-4.1) 139(-1.125,4.1) 140(-1.375,-4.1) 141(-1.625,4.1) 142(-1.875,-4.1) 143(-2.125,4.1) 144(-2.375,-4.1) 145(-4.625,4.1) 146(-4.875,-4.1) 147(-5.125,4.1) 148(-5.375,-4.1) 149(-5.625,4.1) 150(-5.875,-4.1) 151(-6.125,4.1) 152(-6.375,-4.1) 153(-6.625,4.1) 154(-6.875,-4.1) 155(-7.125,4.1) 156(-7.375,-4.1) 157(-7.625,4.1) 158(-7.875,-4.1) 159(-8.125,4.1) 160(-8.375,-4.1) 161(-8.625,4.1) 162(-8.875,-4.1) 163(-9.125,4.1) 164(-9.375,-4.1) 165(-9.625,4.1) 166(-9.875,-4.1) 167(-10.125,4.1) 168(-10.375,-4.1) 169(-10.625,4.1) 170(-10.875,-4.1) 171(-11.125,4.1) 172(-11.375,-4.1) 173(-11.625,4.1) 174(-11.875,-4.1) 175(-12.125,4.1) 176(-12.375,-4.1) 177(-12.625,4.1) 178(-12.875,-4.1) 179(-13.125,4.1) 180(-13.375,-4.1) 181(-13.625,4.1) 182(-13.875,-4.1) 183(-14.125,4.1) 184(-14.375,-4.1) 185(-14.625,4.1) 186(-14.875,-4.1) 187(-15.125,4.1) 188(-15.375,-4.1) 189(-15.625,4.1) 190(-15.875,-4.1) 191(-16.125,4.1) 192(-16.375,-4.1) 193(-16.625,4.1) 194(-16.875,-4.1) 195(-17.125,4.1) 196(-17.375,-4.1) 197(-17.625,4.1) 198(-17.875,-4.1) 199(-18.125,4.1) 200(-18.375,-4.1) 201(-18.625,4.1) 202(-18.875,-4.1) 203(-19.125,4.1) 204(-19.375,-4.1) 205(-19.625,4.1) 206(-19.875,-4.1) 207(-20.125,4.1) 208(-20.375,-4.1) 209(-20.625,4.1) 210(-20.875,-4.1) 211(-21.125,4.1) 212(-21.375,-4.1) 213(-21.625,4.1) 214(-21.875,-4.1) 215(-22.125,4.1) 216(-22.375,-4.1) 217(-22.625,4.1) 218(-22.875,-4.1) 219(-23.125,4.1) 220(-23.375,-4.1) 221(-23.625,4.1) 222(-23.875,-4.1) 223(-24.125,4.1) 224(-24.375,-4.1) 225(-24.625,4.1) 226(-24.875,-4.1) 227(-25.125,4.1) 228(-25.375,-4.1) 229(-25.625,4.1) 230(-25.875,-4.1) 231(-26.125,4.1) 232(-26.375,-4.1) 233(-26.625,4.1) 234(-26.875,-4.1) 235(-27.125,4.1) 236(-27.375,-4.1) 237(-27.625,4.1) 238(-27.875,-4.1) 239(-28.125,4.1) 240(-28.375,-4.1) 241(-28.625,4.1) 242(-28.875,-4.1) 243(-29.125,4.1) 244(-29.375,-4.1) 245(-29.625,4.1) 246(-29.875,-4.1) 247(-30.125,4.1) 248(-30.375,-4.1) 249(-30.625,4.1) 250(-30.875,-4.1) 251(-31.125,4.1) 252(-31.375,-4.1) 253(-31.625,4.1) 254(-31.875,-4.1) 255(-32.125,4.1) 256(-32.375,-4.1) 257(-32.625,4.1) 258(-32.875,-4.1) 259(-33.125,4.1) 260(-33.375,-4.1)
  rect 2x3.5 smd: MP(-37.5,-8) MP(37.5,-12)
LED_0603_1608Metric
  rrect 0.875x0.95 smd: 1(-0.787,0) 2(0.787,0)
MountingHole_2.7mm_M2.5_DIN965_Pad_TopBottom
  round 3.1 hole 2.7: 1(0,0)
  round 4.7 smd far side: 1(0,0)
  round 4.7 smd: 1(0,0)
MountingHole_3.2mm_M3_Pad_Via
  round 0.8 hole 0.5: 1(-2.4,0) 1(-1.697,1.697) 1(-1.697,-1.697) 1(0,2.4) 1(0,-2.4) 1(1.697,1.697) 1(1.697,-1.697) 1(2.4,0)
  round 6.4 hole 3.2: 1(0,0)
MountingHole_3mm_M2_Pad_TopOnly
  round 3.5 hole 3.05: 1(0,0)
  round 5 smd: 1(0,0)
MountingHole_4mm_Pad_Via
  round 0.9 hole 0.6: 1(-3,0) 1(-2.121,2.121) 1(-2.121,-2.121) 1(0,3) 1(0,-3) 1(2.121,2.121) 1(2.121,-2.121) 1(3,0)
  round 8 hole 4: 1(0,0)
PCIe_M.2_Connectors_P=0.5mm_H=4.2mm_KeyM
  round 1.15 hole 1.15 unplated: (-10,-1.7)
  round 1.65 hole 1.65 unplated: (10,-1.7)
  rect 0.3x1.55 smd: 1(-9.25,3.575) 2(-9,-3.975) 3(-8.75,3.575) 4(-8.5,-3.975) 5(-8.25,3.575) 6(-8,-3.975) 7(-7.75,3.575) 8(-7.5,-3.975) 9(-7.25,3.575) 10(-7,-3.975) 11(-6.75,3.575) 12(-6.5,-3.975) 13(-6.25,3.575) 14(-6,-3.975) 15(-5.75,3.575) 16(-5.5,-3.975) 17(-5.25,3.575) 18(-5,-3.975) 19(-4.75,3.575) 20(-4.5,-3.975) 21(-4.25,3.575) 22(-4,-3.975) 23(-3.75,3.575) 24(-3.5,-3.975) 25(-3.25,3.575) 26(-3,-3.975) 27(-2.75,3.575) 28(-2.5,-3.975) 29(-2.25,3.575) 30(-2,-3.975) 31(-1.75,3.575) 32(-1.5,-3.975) 33(-1.25,3.575) 34(-1,-3.975) 35(-0.75,3.575) 36(-0.5,-3.975) 37(-0.25,3.575) 38(0,-3.975) 39(0.25,3.575) 40(0.5,-3.975) 41(0.75,3.575) 42(1,-3.975) 43(1.25,3.575) 44(1.5,-3.975) 45(1.75,3.575) 46(2,-3.975) 47(2.25,3.575) 48(2.5,-3.975) 49(2.75,3.575) 50(3,-3.975) 51(3.25,3.575) 52(3.5,-3.975) 53(3.75,3.575) 54(4,-3.975) 55(4.25,3.575) 56(4.5,-3.975) 57(4.75,3.575) 58(5,-3.975) 67(7.25,3.575) 68(7.5,-3.975) 69(7.75,3.575) 70(8,-3.975) 71(8.25,3.575) 72(8.5,-3.975) 73(8.75,3.575) 74(9,-3.975) 75(9.25,3.575)
  rect 1.2x2.75 smd: MP1(-10.35,2.8) MP2(10.35,2.8)
PCIe_x4_Gen3Slot_Connectors
  round 2.35 hole 2.35 unplated: (11.65,-1.25) (34.8,-1.25)
  round 1.1 hole 0.7: A1(0,0) A2(1,2) A3(2,0) A4(3,2) A5(4,0) A6(5,2) A7(6,0) A8(7,2) A9(8,0) A10(9,2) A11(10,0) A12(13,2) A13(14,0) A14(15,2) A15(16,0) A16(17,2) A17(18,0) A18(19,2) A19(20,0) A20(21,2) A21(22,0) A22(23,2) A23(24,0) A24(25,2) A25(26,0) A26(27,2) A27(28,0) A28(29,2) A29(30,0) A30(31,2) A31(32,0) A32(33,2) B1(0,-2.5) B2(1,-4.5) B3(2,-2.5) B4(3,-4.5) B5(4,-2.5) B6(5,-4.5) B7(6,-2.5) B8(7,-4.5) B9(8,-2.5) B10(9,-4.5) B11(10,-2.5) B12(13,-4.5) B13(14,-2.5) B14(15,-4.5) B15(16,-2.5) B16(17,-4.5) B17(18,-2.5) B18(19,-4.5) B19(20,-2.5) B20(21,-4.5) B21(22,-2.5) B22(23,-4.5) B23(24,-2.5) B24(25,-4.5) B25(26,-2.5) B26(27,-4.5) B27(28,-2.5) B28(29,-4.5) B29(30,-2.5) B30(31,-4.5) B31(32,-2.5) B32(33,-4.5)
PinHeader_1x02_P2.54mm_Vertical
  rect 1.7x1.7 hole 1: 1(0,0)
  oval 1.7x1.7 hole 1: 2(0,-2.54)
PinHeader_1x03_P2.54mm_Vertical
  rect 1.7x1.7 hole 1: 1(0,0)
  oval 1.7x1.7 hole 1: 2(0,-2.54) 3(0,-5.08)
R_0402_1005Metric
  rrect 0.54x0.64 smd: 1(-0.51,0) 2(0.51,0)
R_0603_1608Metric
  rrect 0.8x0.95 smd: 1(-0.825,0) 2(0.825,0)
SOIC-8_5.23x5.23mm_P1.27mm
  rrect 1.6x0.6 smd: 1(-3.6,1.905) 2(-3.6,0.635) 3(-3.6,-0.635) 4(-3.6,-1.905) 5(3.6,-1.905) 6(3.6,-0.635) 7(3.6,0.635) 8(3.6,1.905)
SolderJumper-2_P1.3mm_Bridged_RoundedPad1.0x1.5mm
  custom 1x1.5 smd: 1(-0.65,0) 2(0.65,0)
SolderJumper-2_P1.3mm_Open_RoundedPad1.0x1.5mm
  custom 1x1.5 smd: 1(-0.65,0) 2(0.65,0)
SOT-23
  rrect 1.475x0.6 smd: 1(-0.938,0.95) 2(-0.938,-0.95) 3(0.938,0)
SOT-223-3_TabPin2
  rrect 2x1.5 smd: 1(-3.15,2.3) 2(-3.15,0) 3(-3.15,-2.3)
  rrect 2x3.8 smd: 2(3.15,0)
SW_Push_6x6x6
  rrect 2x1 smd: 1(-4,2.25) 1(4,2.25) 2(-4,-2.25) 2(4,-2.25)
TE_MATE-N-LOK_350211-1_1x04_P5.08mm_Vertical
  rect 2.78x2.78 hole 1.78: 1(0,0)
  round 2.78 hole 1.78: 2(5.08,0) 3(10.16,0) 4(15.24,0)
TestPoint_Pad_D1.5mm
  round 1.5 smd: 1(0,0)
TSOT-23-6
  rrect 1.325x0.6 smd: 1(-1.137,0.95) 2(-1.137,0) 3(-1.137,-0.95) 4(1.137,-0.95) 5(1.137,0) 6(1.137,0.95)
TSSOP-20_4.4x6.5mm_P0.65mm
  rrect 1.475x0.4 smd: 1(-2.862,2.925) 2(-2.862,2.275) 3(-2.862,1.625) 4(-2.862,0.975) 5(-2.862,0.325) 6(-2.862,-0.325) 7(-2.862,-0.975) 8(-2.862,-1.625) 9(-2.862,-2.275) 10(-2.862,-2.925) 11(2.862,-2.925) 12(2.862,-2.275) 13(2.862,-1.625) 14(2.862,-0.975) 15(2.862,-0.325) 16(2.862,0.325) 17(2.862,0.975) 18(2.862,1.625) 19(2.862,2.275) 20(2.862,2.925)
USB3_A_Receptacle_Wuerth_692122030100
  round 2 hole 2 unplated: (-3.4,3.45) (3.4,3.45)
  rrect 0.9x2.6 smd: 1(-3.75,8.67) 2(-1.25,8.67) 3(1.25,8.67) 4(3.75,8.67)
  rrect 0.9x2.15 smd: 5(5,8.895) 6(2.5,8.895) 7(0,8.895) 8(-2.5,8.895) 9(-5,8.895)
  oval 2.52x3.4 hole 1.12x2: 10(-6.8,3.45) 10(6.8,3.45)
USB_A_CUI_UJ2-ADH-TH_Horizontal_Stacked
  rect 1.5x1.5 hole 0.92: 1(0,0)
  round 1.5 hole 0.92: 2(0,-2.5) 3(0,-4.5) 4(0,-7) 5(2.62,0) 6(2.62,-2.5) 7(2.62,-4.5) 8(2.62,-7)
  round 3.5 hole 2.3: 9(-2.71,3.07) 9(-2.71,-10.07) 9(2.97,3.07) 9(2.97,-10.07)
